# Altium PCB PCB_Organo_Prueba_V3.PcbDoc (part 1 of 2)
Units mm, origin at the board's own origin, x right, y up, seen from the top; angles counter-clockwise.
Board outline 127.36 x 89.76 mm, 2 copper layers (Top Layer, Bottom Layer); 91 components, 109 nets, 411 pads, 117 vias.
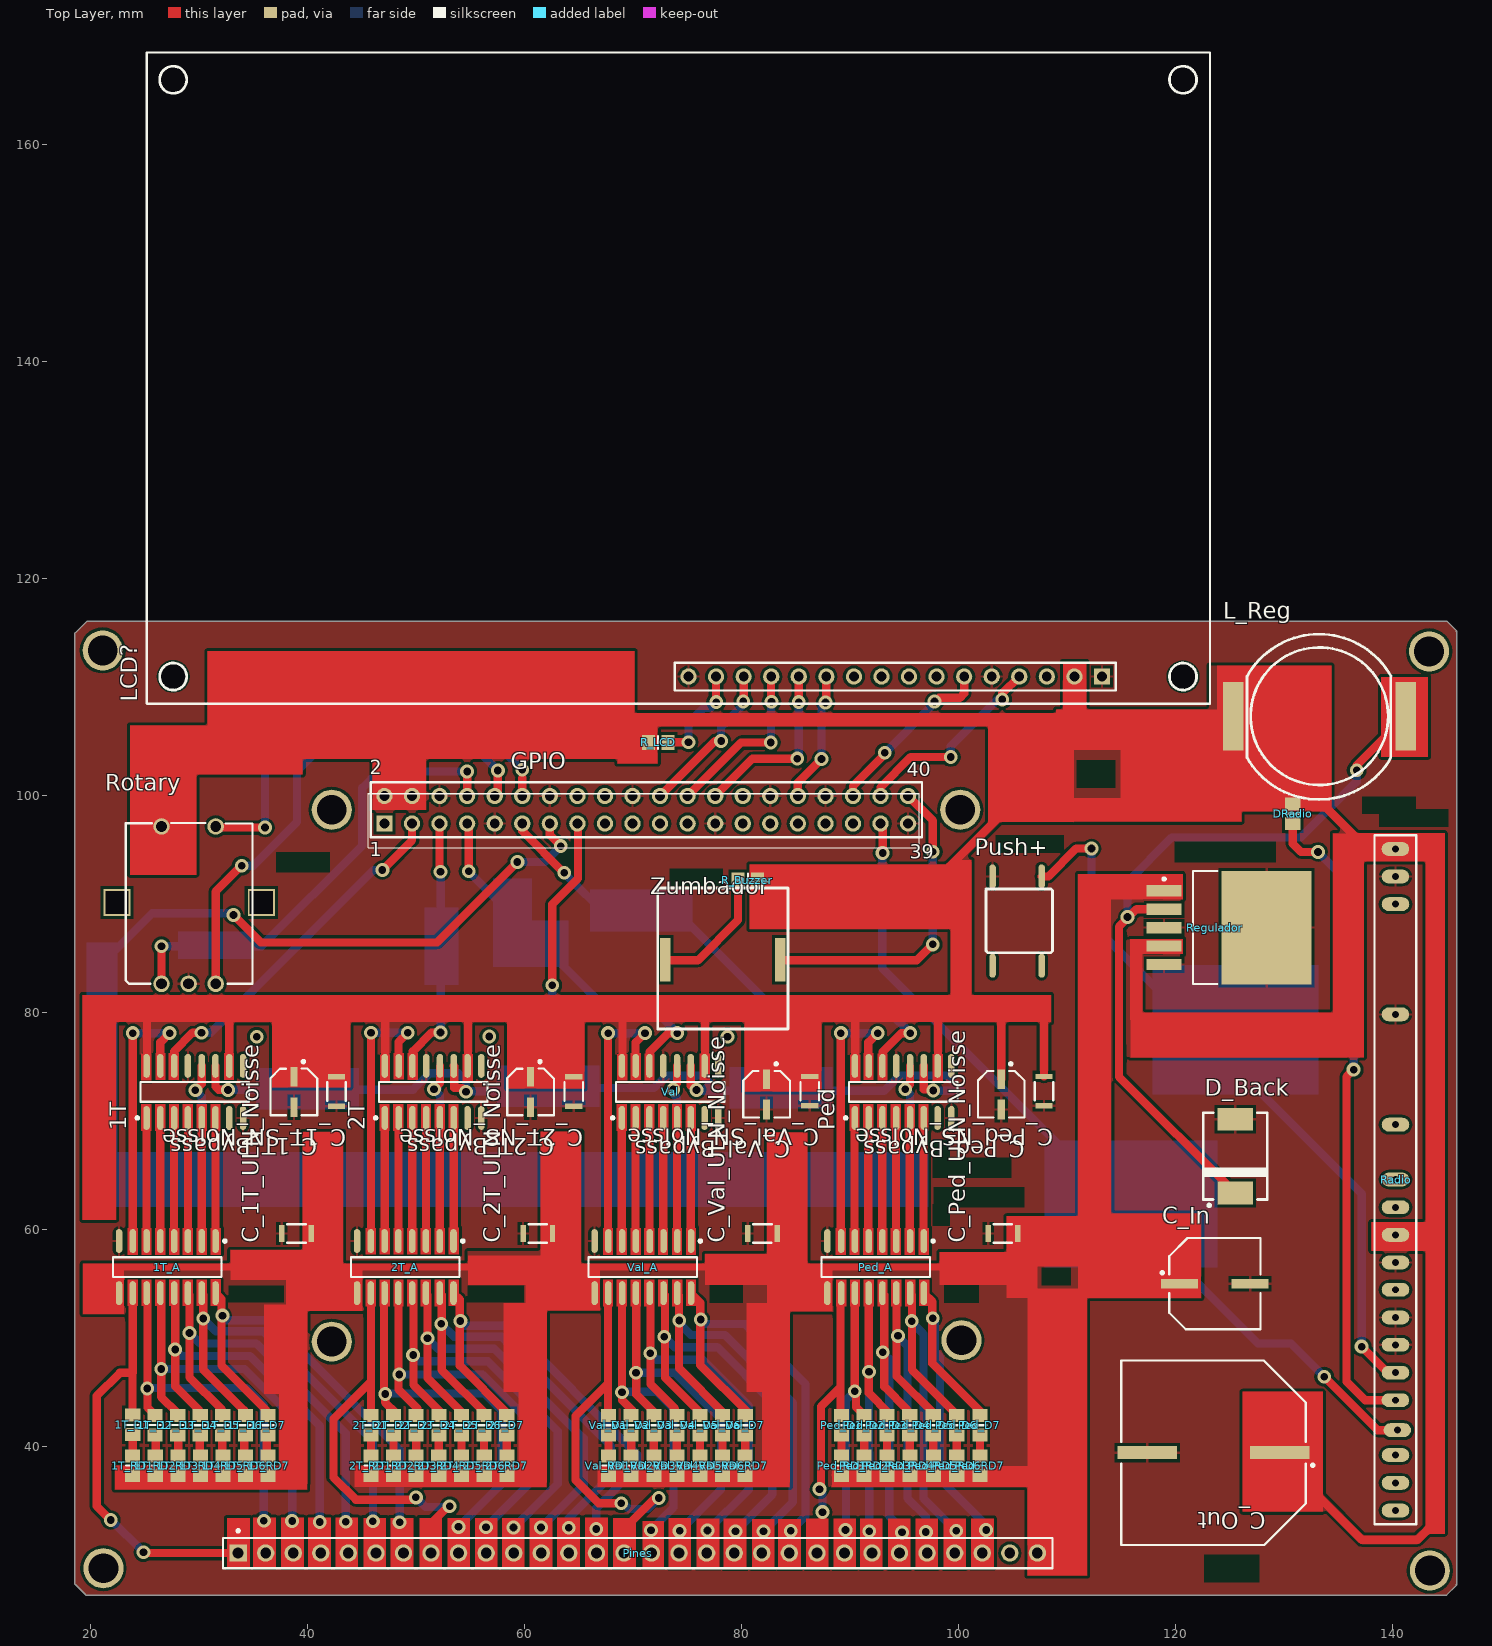
[diagram p0: Top Layer view]
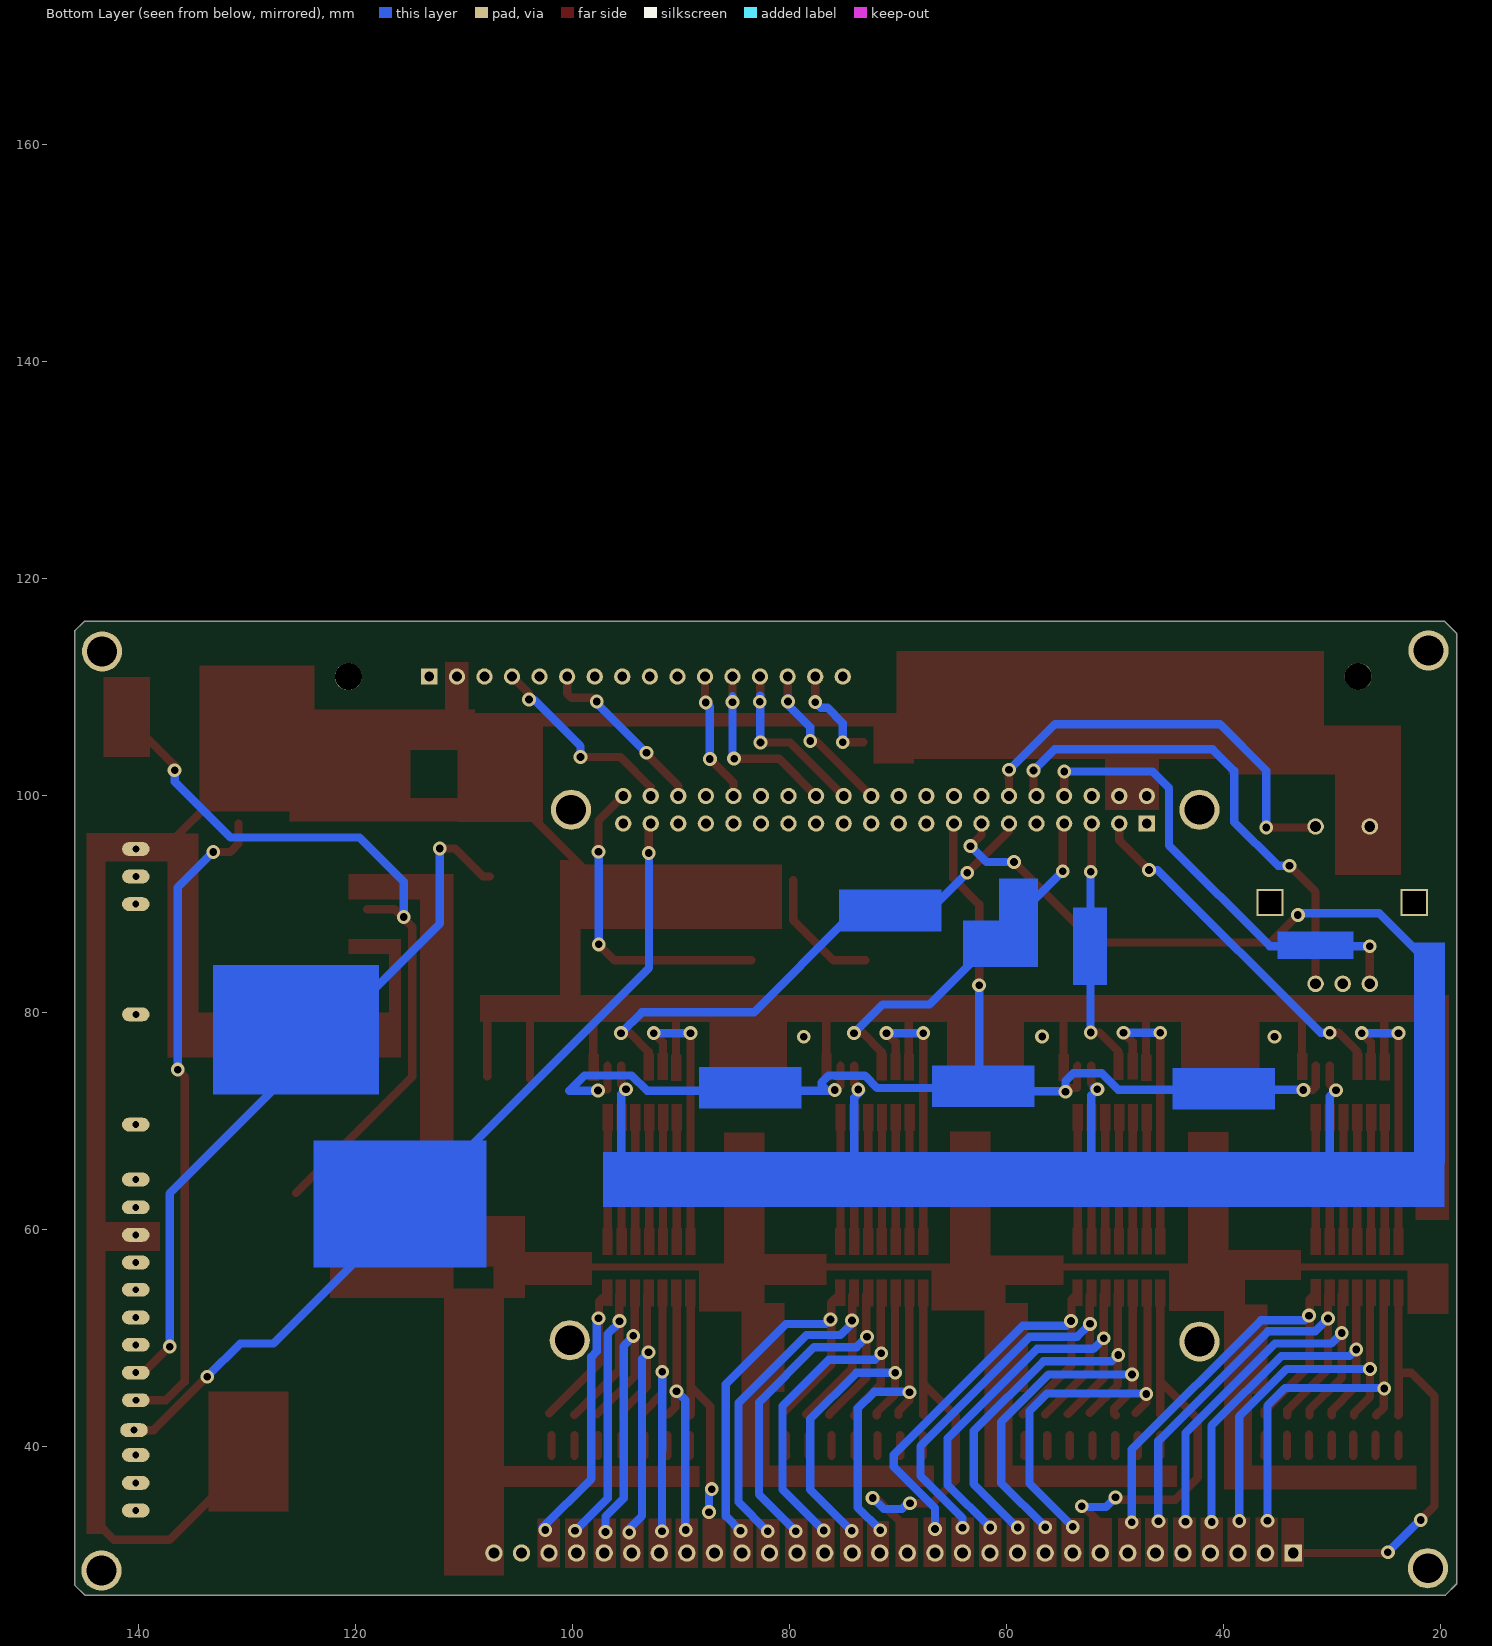
[diagram p1: Bottom Layer view, seen from below]

## Layer stack, top to bottom
Top Solder: solder mask 0.0102, Solder Resist, Dk 3.5
Top Layer: signal copper 0.0356
Dielectric 1: dielectric 0.32, FR-4, Dk 4.8
Bottom Layer: signal copper 0.0356
Bottom Solder: solder mask 0.0102, Solder Resist, Dk 3.5

## Board outline
19.543,26.345 18.544,27.344 cw(c18.615,27.415) 18.515,27.415 18.515,114.925 cw(c18.615,114.925) 18.544,114.996 19.595,116.047 cw(c19.666,115.976) 19.666,116.077 144.958,116.077 cw(c144.958,115.976) 145.029,116.047 145.842,115.235 cw(c145.771,115.164) 145.871,115.164 145.871,27.305 cw(c145.771,27.305) 145.842,27.234 144.953,26.345 cw(c144.882,26.416) 144.882,26.316 19.614,26.316 cw(c19.614,26.416)

## Design rules (kind name [scope] priority, off if disabled: settings)
Clearance Clearance_2 [All] p1: gap=0.254
Clearance Clearance_1 [All] p2: gap=0.254
Clearance [All] p3: gap=0.254
ComponentClearance [All vs HasFootprint('Raspberry')] p1: gap=0.254 collisioncheckmode=3 verticalgap=0.254 showdistances=FALSE
PolygonConnect [All] p1: connectstyle=Relief reliefconductorwidth=0.254 reliefentries=4 polygonreliefangle="90 Angle" airgapwidth=0.254
RoutingVias [All] p1: holewidth=0.711 width=1.27 viastyle="Through Hole" minholewidth=0.711 minwidth=1.27 maxholewidth=0.711 maxwidth=1.27
SMDNeckDown [All] p1: percent=200.000
SolderMaskExpansion [All] p1: expansion=0.102
Width [All] p1: maxlimit=1.016 minlimit=0.508 preferedwidth=0.762
28 further rules are at their usual default settings.

## Classes and differential pairs
component class 1Teclado_Prueba: 1T 1T_A 1T_D1 1T_D2 1T_D3 1T_D4 1T_D5 1T_D6 1T_D7 1T_RD1 1T_RD2 1T_RD3 1T_RD4 1T_RD5 1T_RD6 1T_RD7 C_1T_Bypass C_1T_SN_Noisse C_1T_ULN_Noisse
component class 2Teclado_Prueba: 2T 2T_A 2T_D1 2T_D2 2T_D3 2T_D4 2T_D5 2T_D6 2T_D7 2T_RD1 2T_RD2 2T_RD3 2T_RD4 2T_RD5 2T_RD6 2T_RD7 C_2T_Bypass C_2T_NS_Noisse C_2T_ULN_Noisse
component class Externos_prueba: DRadio LCD? Pines Push+ R_Buzzer R_LCD Radio Rotary Zumbador
component class GPIO_Raspberry_b+: C_In C_Out D_Back GPIO L_Reg Regulador
component class Pedal_Prueba: C_Ped_Bypass C_Ped_NS_Noisse C_Ped_ULN_Noisse Ped Ped_A Ped_D1 Ped_D2 Ped_D3 Ped_D4 Ped_D5 Ped_D6 Ped_D7 Ped_RD1 Ped_RD2 Ped_RD3 Ped_RD4 Ped_RD5 Ped_RD6 Ped_RD7
component class Valvulas_Prueba: C_Val_Bypass C_Val_SN_Noisse C_Val_ULN_Noisse Val Val_A Val_D1 Val_D2 Val_D3 Val_D4 Val_D5 Val_D6 Val_D7 Val_RD1 Val_RD2 Val_RD3 Val_RD4 Val_RD5 Val_RD6 Val_RD7

## Components (designator, comment, footprint, x,y, rotation, side; value= is the part's Value field where it differs from the comment)
1T "SN74HC595D" SN74HC595D 29.585,72.712 r90 top
1T_A "ULN2003D" ULN2003AI 27.051,56.569 r270 top
1T_D1 "LED_SMD" LED_0805 23.863,42.018 r90 top
1T_D2 "LED_SMD" LED_0805 25.933,42.012 r90 top
1T_D3 "LED_SMD" LED_0805 28.016,42.012 r90 top
1T_D4 "LED_SMD" LED_0805 30.086,41.999 r90 top
1T_D5 "LED_SMD" LED_0805 32.169,41.999 r90 top
1T_D6 "LED_SMD" LED_0805 34.252,41.999 r90 top
1T_D7 "LED_SMD" LED_0805 36.347,41.986 r90 top
1T_RD1 "Res Chip 0805" Resistencia_0805_N 23.851,38.278 r270 top
1T_RD2 "Res Chip 0805" Resistencia_0805_N 25.946,38.278 r270 top
1T_RD3 "Res Chip 0805" Resistencia_0805_N 28.029,38.278 r270 top
1T_RD4 "Res Chip 0805" Resistencia_0805_N 30.099,38.278 r270 top
1T_RD5 "Res Chip 0805" Resistencia_0805_N 32.182,38.278 r270 top
1T_RD6 "Res Chip 0805" Resistencia_0805_N 34.252,38.278 r270 top
1T_RD7 "Res Chip 0805" Resistencia_0805_N 36.347,38.278 r270 top
2T "SN74HC595D" SN74HC595D 51.549,72.712 r90 top
2T_A "ULN2003D" ULN2003AI 48.984,56.569 r270 top
2T_D1 "LED_SMD" LED_0805 45.822,41.986 r90 top
2T_D2 "LED_SMD" LED_0805 47.892,41.986 r90 top
2T_D3 "LED_SMD" LED_0805 49.987,41.986 r90 top
2T_D4 "LED_SMD" LED_0805 52.083,41.986 r90 top
2T_D5 "LED_SMD" LED_0805 54.165,41.986 r90 top
2T_D6 "LED_SMD" LED_0805 56.248,41.986 r90 top
2T_D7 "LED_SMD" LED_0805 58.344,41.986 r90 top
2T_RD1 "Res Chip 0805" Resistencia_0805_N 45.822,38.278 r270 top
2T_RD2 "Res Chip 0805" Resistencia_0805_N 47.904,38.278 r270 top
2T_RD3 "Res Chip 0805" Resistencia_0805_N 49.987,38.278 r270 top
2T_RD4 "Res Chip 0805" Resistencia_0805_N 52.07,38.278 r270 top
2T_RD5 "Res Chip 0805" Resistencia_0805_N 54.165,38.278 r270 top
2T_RD6 "Res Chip 0805" Resistencia_0805_N 56.261,38.278 r270 top
2T_RD7 "Res Chip 0805" Resistencia_0805_N 58.356,38.278 r270 top
C_1T_Bypass "Panasonic 1uF" "Panasonic B Size" 38.722,72.707 r270 top
C_1T_SN_Noisse "AVX 100nF" "AVX Carcasa 1.206" 42.647,72.758 r270 top
C_1T_ULN_Noisse "AVX 100nF" "AVX Carcasa 1.206" 38.964,59.665 r180 top
C_2T_Bypass "Panasonic 1uF" "Panasonic B Size" 60.528,72.707 r270 top
C_2T_NS_Noisse "AVX 100nF" "AVX Carcasa 1.206" 64.503,72.758 r270 top
C_2T_ULN_Noisse "AVX 100nF" "AVX Carcasa 1.206" 61.201,59.665 r180 top
C_In "Panasonic 100uF" "Panasonic F Size" 123.596,55.042 r0 top
C_Out "Panasonic 1000uF" "Panasonic J16 Size" 123.469,39.459 r180 top
C_Ped_Bypass "Panasonic 1uF" "Panasonic B Size" 103.911,72.492 r270 top
C_Ped_NS_Noisse "AVX 100nF" "AVX Carcasa 1.206" 107.848,72.784 r270 top
C_Ped_ULN_Noisse "AVX 100nF" "AVX Carcasa 1.206" 104.064,59.665 r180 top
C_Val_Bypass "Panasonic 1uF" "Panasonic B Size" 82.283,72.492 r270 top
C_Val_SN_Noisse "AVX 100nF" "AVX Carcasa 1.206" 86.271,72.784 r270 top
C_Val_ULN_Noisse "AVX 100nF" "AVX Carcasa 1.206" 81.902,59.665 r180 top
D_Back "MURS320T3G" DO-214AB 125.476,66.802 r90 top
DRadio "LED_SMD" LED_0805 130.77,98.35 r270 top
GPIO "Raspberry b+" Raspberry 71.196,98.717 r0 top
L_Reg "DO-5040H-104ML_" "DO-5040H 15uH-1400uH" 133.23,107.33 r0 top
LCD? "LCD 20x4" "LCD FORDATA (20x4)" 76.893,136.913 r180 top
Ped "SN74HC595D" SN74HC595D 94.869,72.712 r90 top
Ped_A "ULN2003D" ULN2003AI 92.329,56.569 r270 top
Ped_D1 "LED_SMD" LED_0805 89.192,41.986 r90 top
Ped_D2 "LED_SMD" LED_0805 91.275,41.986 r90 top
Ped_D3 "LED_SMD" LED_0805 93.37,41.986 r90 top
Ped_D4 "LED_SMD" LED_0805 95.479,41.986 r90 top
Ped_D5 "LED_SMD" LED_0805 97.638,41.986 r90 top
Ped_D6 "LED_SMD" LED_0805 99.809,41.986 r90 top
Ped_D7 "LED_SMD" LED_0805 101.943,41.986 r90 top
Ped_RD1 "Res Chip 0805" Resistencia_0805_N 89.192,38.278 r270 top
Ped_RD2 "Res Chip 0805" Resistencia_0805_N 91.275,38.278 r270 top
Ped_RD3 "Res Chip 0805" Resistencia_0805_N 93.37,38.278 r270 top
Ped_RD4 "Res Chip 0805" Resistencia_0805_N 95.491,38.278 r270 top
Ped_RD5 "Res Chip 0805" Resistencia_0805_N 97.663,38.278 r270 top
Ped_RD6 "Res Chip 0805" Resistencia_0805_N 99.809,38.278 r270 top
Ped_RD7 "Res Chip 0805" Resistencia_0805_N 101.943,38.278 r270 top
Pines "Header 30x1" "Header 1X30" 33.579,30.213 r0 top
Push+ "Pulsador" Pulsador 104.178,95.72 r270 top
R_Buzzer "Res Chip 0805" Resistencia_0805_N 80.556,92.227 r180 top
R_LCD "Res Chip 0805" Resistencia_0805_N 72.288,104.927 r180 top
Radio "HIRK-433A RADIO MODULE" "HIRK-433A Radio Module" 149.441,64.618 r0 top
Regulador "LM2576HVSX-5.0/NOPB" TS5B_N_ 124.917,87.859 r0 top
Rotary "Rotary Encoder" RotaryPCB 26.518,82.677 r0 top
Val "SN74HC595D" SN74HC595D 73.393,72.712 r90 top
Val_A "ULN2003D" ULN2003AI 70.879,56.569 r270 top
Val_D1 "LED_SMD" LED_0805 67.704,41.986 r90 top
Val_D2 "LED_SMD" LED_0805 69.799,41.986 r90 top
Val_D3 "LED_SMD" LED_0805 71.895,41.986 r90 top
Val_D4 "LED_SMD" LED_0805 74.016,41.986 r90 top
Val_D5 "LED_SMD" LED_0805 76.136,41.986 r90 top
Val_D6 "LED_SMD" LED_0805 78.219,41.986 r90 top
Val_D7 "LED_SMD" LED_0805 80.315,41.986 r90 top
Val_RD1 "Res Chip 0805" Resistencia_0805_N 67.704,38.278 r270 top
Val_RD2 "Res Chip 0805" Resistencia_0805_N 69.799,38.278 r270 top
Val_RD3 "Res Chip 0805" Resistencia_0805_N 71.895,38.278 r270 top
Val_RD4 "Res Chip 0805" Resistencia_0805_N 74.016,38.278 r270 top
Val_RD5 "Res Chip 0805" Resistencia_0805_N 76.136,38.278 r270 top
Val_RD6 "Res Chip 0805" Resistencia_0805_N 78.219,38.278 r270 top
Val_RD7 "Res Chip 0805" Resistencia_0805_N 80.302,38.278 r270 top
Zumbador "Buzzer" Buzzer 78.346,85.7 r0 top

## Footprints (in the part's own frame and the unit in brackets; to place one, negate y for a bottom-side part, rotate by r counter-clockwise, add the part's x,y. Pads: shape width x height; smd on the part's side, far side on the other; paste and mask are expansions set on the pad)
"AVX Carcasa 1.206" [mm] "Molded Capacitor, 2-Leads, Body 3,20x1,60mm, IPC Medium Density"
  rect 0.5x1.6 smd: 1(-1.352,0) 2(1.357,0)
  silkscreen extent -0.85,-0.85 0.86,0.85, body extent -1.7,-0.83 1.7,0.85, height 1.71
Buzzer [mm]
  rect 1x4 smd: 1(5.2,-0.8) 2(-5.4,-0.8)
  silkscreen extent -6.1,-7.2 5.9,5.8, body extent -6.05,-6.68 5.95,5.32, height 3.07
DO-214AB [mm]
  rect 2.1x3.3 smd: A(3.4,0) K(-3.4,0)
  silkscreen extent -4.67,-2.95 4,2.95, body extent -3.97,-2.95 3.97,2.95, height 2.27
"DO-5040H 15uH-1400uH" [mm] "Bobina coilcraft SMD DO-5040H válido para 15uH hasta 1400uH"
  rect 1.9x6.35 smd: 1(-7.95,0) 2(7.95,0)
  silkscreen extent -6.66,-7.67 6.6,7.57, body extent -9.14,-7.37 9.4,7.37, height 11.97
"Header 1X30" [mm]
  rect 1.6x1.6 hole 0.99: 1(0,0)
  round 1.6 hole 0.99: 2(2.54,0) 3(5.08,0) 4(7.62,0) 5(10.16,0) 6(12.7,0) 7(15.24,0) 8(17.78,0) 9(20.32,0) 10(22.86,0) 11(25.4,0) 12(27.94,0) 13(30.48,0) 14(33.02,0) 15(35.56,0) 16(38.1,0) 17(40.64,0) 18(43.18,0) 19(45.72,0) 20(48.26,0) 21(50.8,0) 22(53.34,0) 23(55.88,0) 24(58.42,0) 25(60.96,0) 26(63.5,0) 27(66.04,0) 28(68.58,0) 29(71.12,0) 30(73.66,0)
  silkscreen extent -1.4,-1.4 75.06,2.17, body extent -1.39,-3.21 74.81,2.87, height 10.19
"HIRK-433A Radio Module" [mil] "CFP, 54-Leads, Body 63,50x14,50mm (max), Pitch 2,54mm, IPC Medium Density"
  oval 100x50 hole 25: 1(-362.2,1200) 2(-362.2,1100) 3(-362,1000) 7(-362.2,600) 11(-362,200) 13(-362,1) 14(-362,-100) 15(-362,-200) 16(-362,-300) 17(-362,-399) 18(-362,-500) 19(-362,-599) 20(-362,-700) 21(-362.2,-800) 22(-355.5,-908.5) 23(-362,-999) 24(-362,-1100) 25(-362,-1200)
  silkscreen extent -439,-1250 -287,1250, body extent -558,-1208 -312,1204, height 753
"LCD FORDATA (20x4)" [mm] "LCD 4x20"
  rect 1.5x1.5 hole 0.9: 1(-36.297,25.923)
  round 1.5 hole 0.9: 2(-33.757,25.923) 3(-31.217,25.923) 4(-28.677,25.923) 5(-26.137,25.923) 6(-23.597,25.923) 7(-21.057,25.923) 8(-18.517,25.923) 9(-15.977,25.923) 10(-13.437,25.923) 11(-10.897,25.923) 12(-8.357,25.923) 13(-5.817,25.923) 14(-3.277,25.923) 15(-0.737,25.923) 16(1.803,25.923)
  silkscreen extent -46.27,-31.58 51.73,28.42, body extent -46.27,-31.58 51.74,28.42, height 2.2
LED_0805 [mm]
  rect 1.2x1.4 smd: 1(-0.9,0) 2(0.9,0)
  silkscreen extent 0,-0.6 0,0.6, body extent -1.05,-0.67 1.05,0.68, height 0.9
"Panasonic B Size" [mm] "Molded Capacitor, 2-Leads, Body 4,30x4,30mm, IPC Medium Density"
  rect 1.8x0.65 smd: 1(-1.4,0) 2(1.4,0)
  silkscreen extent -2.92,-2.15 2.15,2.15, body extent -2.3,-2.16 2.3,2.14, height 5.4
"Panasonic F Size" [mm] "Molded Capacitor, 2-Leads, Body 8,30x8,30mm, IPC Medium Density"
  rect 3.4x0.9 smd: 1(-3.25,0) 2(3.25,0)
  silkscreen extent -4.97,-4.2 4.2,4.2, body extent -4.94,-4.11 4.96,4.19, height 10.2
"Panasonic J16 Size" [mm] "Molded Capacitor, 2-Leads, Body 17,00x17,00mm, IPC Medium Density"
  rect 5.5x1.2 smd: 1(-6.1,0) 2(6.1,0)
  silkscreen extent -9.28,-8.5 8.5,8.5, body extent -8.89,-8.49 8.81,8.51, height 16.5
Pulsador [mm]
  oval 2.2x0.6 smd: 1(3.15,3.454) 2(11.379,3.454) 3(3.15,-1.067) 4(11.379,-1.067)
  silkscreen extent 4.32,-1.68 10.19,4.45, body extent 3.34,-1.93 11.34,4.57, height 4.3
Raspberry [mm] "Connector; Header; 20x2 Position"
  rect 1.5x1.5 hole 0.9: 1(-24.13,-1.27)
  round 1.5 hole 0.9: 2(-24.13,1.27) 3(-21.59,-1.27) 4(-21.59,1.27) 5(-19.05,-1.27) 6(-19.05,1.27) 7(-16.51,-1.27) 8(-16.51,1.27) 9(-13.97,-1.27) 10(-13.97,1.27) 11(-11.43,-1.27) 12(-11.43,1.27) 13(-8.89,-1.27) 14(-8.89,1.27) 15(-6.35,-1.27) 16(-6.35,1.27) 17(-3.81,-1.27) 18(-3.81,1.27) 19(-1.27,-1.27) 20(-1.27,1.27) 21(1.27,-1.27) 22(1.27,1.27) 23(3.81,-1.27) 24(3.81,1.27) 25(6.35,-1.27) 26(6.35,1.27) 27(8.89,-1.27) 28(8.89,1.27) 29(11.43,-1.27) 30(11.43,1.27) 31(13.97,-1.27) 32(13.97,1.27) 33(16.51,-1.27) 34(16.51,1.27) 35(19.05,-1.27) 36(19.05,1.27) 37(21.59,-1.27) 38(21.59,1.27) 39(24.13,-1.27) 40(24.13,1.27)
  silkscreen extent -25.4,-2.54 25.4,2.54, body extent -34.64,-54.66 54.98,3.64, height 11.3
Resistencia_0805_N [mm] "Chip Resistor, Body 2.0x1.2mm, IPC Medium Density"
  rect 1.2x1.4 smd: 1(-0.9,0) 2(0.9,0)
  silkscreen extent 0,-0.6 0,0.6, body extent -0.97,-0.62 1.03,0.63, height 0.78
RotaryPCB [mm]
  round 1.524 hole 1: A(0,0) B(5,0) C(2.5,0) D(0,14.5) E(5,14.5)
  rect 2.5x2.5 hole 2.1 square unplated: ""(-4.1,7.5) ""(9.2,7.5)
  silkscreen extent -3.3,0 8.4,14.81, body extent -4.93,-1.51 10.07,16.49, height 24.5
SN74HC595D [mm] "SOIC, 16-Leads, Body 9.9x3.9mm, Pitch 1.27mm, IPC Medium Density"
  oval 2.2x0.6 smd: 1(-2.4,4.445) 2(-2.4,3.175) 3(-2.4,1.905) 4(-2.4,0.635) 5(-2.4,-0.635) 6(-2.4,-1.905) 7(-2.4,-3.175) 8(-2.4,-4.445) 9(2.4,-4.445) 10(2.4,-3.175) 11(2.4,-1.905) 12(2.4,-0.635) 13(2.4,0.635) 14(2.4,1.905) 15(2.4,3.175) 16(2.4,4.445)
  silkscreen extent -2.52,-5 0.9,5.42, body extent -3.1,-4.92 2.9,4.98, height 1.45
TS5B_N_ [mm] "D2-PAK, 6-Leads, Body 8.6x10.2mm, Pitch 1.7mm, Lead Span 14.1mm, IPC Medium Density"
  rect 3.2x1.05 smd: 1(-6,3.4) 2(-6,1.7) 3(-6,0) 4(-6,-1.7) 5(-6,-3.4)
  rect 8.3x10.45 smd: 6(3.45,0)
  silkscreen extent -6.12,-5.2 -1.1,5.2, body extent -7.52,-5.03 7.54,5.13, height 2.05
ULN2003AI [mm] "SOIC, 16-Leads, Body 9.9x3.9mm, Pitch 1.27mm, IPC Medium Density"
  oval 2.2x0.6 smd: 1(-2.4,4.445) 2(-2.4,3.175) 3(-2.4,1.905) 4(-2.4,0.635) 5(-2.4,-0.635) 6(-2.4,-1.905) 7(-2.4,-3.175) 8(-2.4,-4.445) 9(2.4,-4.445) 10(2.4,-3.175) 11(2.4,-1.905) 12(2.4,-0.635) 13(2.4,0.635) 14(2.4,1.905) 15(2.4,3.175) 16(2.4,4.445)
  silkscreen extent -2.52,-5 0.9,5.42, body extent -3.13,-4.92 2.87,4.98, height 1.45

## Part data
1T 2T Ped Val: "8-Bit Shift Register with 3-State Output Registers"
1T_A 2T_A Ped_A Val_A: "Seven Darlington Array"
1T_D1 1T_D2 1T_D3 1T_D4 1T_D5 1T_D6 1T_D7 2T_D1 2T_D2 2T_D3 2T_D4 2T_D5 2T_D6 2T_D7 DRadio Ped_D1 Ped_D2 Ped_D3 Ped_D4 Ped_D5 Ped_D6 Ped_D7 Val_D1 Val_D2 Val_D3 Val_D4 Val_D5 Val_D6 Val_D7: "LED SMD"
1T_RD1 1T_RD2 1T_RD3 1T_RD4 1T_RD5 1T_RD6 1T_RD7 2T_RD1 2T_RD2 2T_RD3 2T_RD4 2T_RD5 2T_RD6 2T_RD7 Ped_RD1 Ped_RD2 Ped_RD3 Ped_RD4 Ped_RD5 Ped_RD6 Ped_RD7 R_Buzzer R_LCD Val_RD1 Val_RD2 Val_RD3 Val_RD4 Val_RD5 Val_RD6 Val_RD7: library part Resistencia
C_1T_Bypass C_2T_Bypass C_In C_Out C_Ped_Bypass C_Val_Bypass: "Condensador Electrolítico SMD"
C_1T_SN_Noisse C_1T_ULN_Noisse C_2T_NS_Noisse C_2T_ULN_Noisse C_Ped_NS_Noisse C_Ped_ULN_Noisse C_Val_SN_Noisse C_Val_ULN_Noisse: "Condensador Cerámico SMD"
D_Back: "Surface Mount Schottky-Rectifiers"
L_Reg: library part Inductor, "Inductor"
Regulador: "SIMPLE SWITCHER® 3A Step-Down Voltage Regulator, 5-pin TO-263, Pb-Free"

## Free pads (board coordinates)
  round 3.7 hole 2.75: 0(21.101,113.399) 0(21.165,28.817) 0(42.215,49.695) 0(42.215,98.717) 0(100.127,98.717) 0(100.254,49.822) 0(143.345,113.309) 0(143.408,28.6)
  round 2.5 hole 2.5: 0(27.594,111.005) 0(120.658,110.98)

## Via types
v1: diameter 1.27, hole 0.711, Top Layer to Bottom Layer, 117 vias

## Nets (pads, with @x,y where several pads share a name; then routed paths per layer and width w, separated by ;. In a path a pad name is that pad's centre, name@x,y a point inside that pad or via, vN(x,y) a via of type N, cw(c..) or ccw(c..) an arc to the next point about the centre after c; other vN are vias at no path point)
5V: 1T.10 1T.16 2T.10 2T.16 C_1T_Bypass.1 C_1T_SN_Noisse.1 C_2T_Bypass.1 C_2T_NS_Noisse.1 C_Out.1 C_Ped_Bypass.1 C_Ped_NS_Noisse.1 C_Val_Bypass.1 C_Val_SN_Noisse.1 DRadio.1 GPIO.2 GPIO.4 L_Reg.1 LCD?.2 Ped.10 Ped.16 R_Buzzer.1 R_LCD.2 Radio.1 Radio.15 Regulador.4 Rotary.D Val.10 Val.16 | length 165.4
  Top Layer w0.762: 1T.16@25.178,75.112 25.178,80.372 ; 1T.10@32.76,75.112 32.76,80.328 ; 2T.16@47.142,75.029 47.142,80.48 ; 2T.10@54.757,75.023 54.757,80.359 ; C_2T_Bypass.1@60.528,74.107 60.528,80.289 ; C_2T_NS_Noisse.1@64.503,74.11 64.503,80.315 ; Val.16@68.999,75.08 68.999,80.467 ; Val.10@76.613,75.074 76.613,80.46 ; R_Buzzer.1@81.456,92.227 97.917,92.227 111.011,105.321 ; C_Val_Bypass.1@82.283,73.892 82.283,79.896 ; C_Val_SN_Noisse.1@86.271,74.136 86.271,80.213 ; Ped.16@90.462,75.029 90.462,80.543 ; Ped.10@98.076,75.023 98.076,80.372 ; C_Ped_Bypass.1@103.911,73.892 103.911,79.845 ; C_Ped_NS_Noisse.1@107.848,74.136 107.848,79.908 ; LCD?.2@110.65,110.99 110.65,107.13 112.23,105.55 128.346,105.55 128.499,105.702 ; C_Out.1@129.569,39.459 129.569,39.023 137.16,31.432 142.253,31.432 143.929,33.109 ; 132.22,100.546 137.668,95.098 Radio.1@140.241,95.098
12V: 1T_A.9 1T_RD1.2 1T_RD2.2 1T_RD3.2 1T_RD4.2 1T_RD5.2 1T_RD6.2 1T_RD7.2 2T_A.9 2T_RD1.2 2T_RD2.2 2T_RD3.2 2T_RD4.2 2T_RD5.2 2T_RD6.2 2T_RD7.2 C_1T_ULN_Noisse.1 C_2T_ULN_Noisse.1 C_In.1 C_Ped_ULN_Noisse.1 C_Val_ULN_Noisse.1 Ped_A.9 Ped_RD1.2 Ped_RD2.2 Ped_RD3.2 Ped_RD4.2 Ped_RD5.2 Ped_RD6.2 Ped_RD7.2 Pines.30 Regulador.1 Val_A.9 Val_RD1.2 Val_RD2.2 Val_RD3.2 Val_RD4.2 Val_RD5.2 Val_RD6.2 Val_RD7.2 | length 49.5
  Top Layer w0.762: 21.714,54.169 1T_A.9@22.606,54.169 ; 38.354,51.333 39.548,52.527 ; 40.665,57.302 40.665,68.415 ; 43.799,54.169 2T_A.9@44.539,54.169 ; 62.598,57.34 62.598,68.275 ; 84.061,57.29 84.061,67.31 ; 107.239,50.305 111.658,54.724 ; 111.95,63.438 111.95,71.323
GND: 1T.8 1T.13 1T_A.8 2T.8 2T.13 2T_A.8 C_1T_Bypass.2 C_1T_SN_Noisse.2 C_1T_ULN_Noisse.2 C_2T_Bypass.2 C_2T_NS_Noisse.2 C_2T_ULN_Noisse.2 C_In.2 C_Out.2 C_Ped_Bypass.2 C_Ped_NS_Noisse.2 C_Ped_ULN_Noisse.2 C_Val_Bypass.2 C_Val_SN_Noisse.2 C_Val_ULN_Noisse.2 D_Back.A GPIO.6 GPIO.9 GPIO.14 GPIO.20 GPIO.25 GPIO.30 GPIO.34 GPIO.39 LCD?.1 LCD?.5 LCD?.16 Ped.8 Ped.13 Ped_A.8 Push+.3 Radio.2 Radio.7 Radio.16 Radio.18 Radio.19 Regulador.3 Regulador.5 Regulador.6 Rotary.C Val.8 Val.13 Val_A.8
Net1T_1: 1T.1 1T_A.6 | length 11.3
  Top Layer w0.508: 1T_A.6@25.14,58.975 1T_A.6@25.146,58.969
  Top Layer w0.762: 1T_A.6@25.14,58.975 1T.1@25.14,70.312
Net1T_2: 1T.2 1T_A.5 | length 11.3
  Top Layer w0.762: 1T.2@26.41,70.312 26.41,58.975 1T_A.5@26.416,58.969
Net1T_3: 1T.3 1T_A.4 | length 11.3
  Top Layer w0.762: 1T.3@27.68,70.312 27.68,58.975 1T_A.4@27.686,58.969
Net1T_4: 1T.4 1T_A.3 | length 11.3
  Top Layer w0.762: 1T.4@28.95,70.312 28.95,58.975 1T_A.3@28.956,58.969
Net1T_5: 1T.5 1T_A.2 | length 11.3
  Top Layer w0.762: 1T.5@30.22,70.312 30.22,58.975 1T_A.2@30.226,58.969
Net1T_6: 1T.6 1T_A.1 | length 11.3
  Top Layer w0.762: 1T.6@31.49,70.312 31.496,70.306 1T_A.1@31.496,58.969
Net1T_11: 1T.11 2T.11 GPIO.15 Ped.11 Val.11 | length 114.2
  Top Layer w0.762: 1T.11@31.49,75.112 31.49,73.209 31.775,72.923 32.601,72.923 v1(32.639,72.885) ; 2T.11@53.454,75.112 53.505,75.061 53.505,73.063 54.229,73.063 v1(54.572,72.72) ; v1(62.522,82.537) 62.522,90 64.897,92.374 64.897,97.396 GPIO.15@64.846,97.447 ; Val.11@75.298,75.112 75.298,73.292 v1@75.629,72.962 ; Ped.11@96.774,75.112 96.774,72.936 97.549,72.936 v1(97.638,72.847)
  Bottom Layer w0.762: v1@32.588,72.923 49.715,72.923 51.214,74.422 53.866,74.422 54.572,73.716 v1@54.572,72.873 ; v1(54.572,72.72) v1@54.572,72.873 ; 62.522,73.063 71.915,73.063 73.058,74.206 75.781,74.206 ; v1(62.522,82.537) 62.522,72.784 54.661,72.784 v1@54.572,72.873 ; v1@75.565,72.822 76.53,72.822 ; 75.705,74.219 76.403,74.219 77.038,73.584 77.038,73.33 76.53,72.822 ; v1@97.638,72.822 100.292,72.822 98.882,74.231 94.546,74.231 93.136,72.822 76.53,72.822
  other v1: 75.819,72.898
Net1T_12: 1T.12 2T.12 GPIO.13 Ped.12 Val.12 | length 184.7
  Top Layer w0.762: v1(29.642,72.873) 30.22,73.451 1T.12@30.22,75.112 ; v1(33.147,89.014) 35.674,86.487 51.905,86.487 v1(59.315,93.897) ; v1(51.625,72.962) 52.184,73.52 2T.12@52.184,75.112 ; GPIO.13@62.306,97.447 62.306,96.38 v1(63.322,95.364) ; 74.028,73.477 Val.12@74.028,75.112 ; v1(95.072,72.962) 95.504,73.393 Ped.12@95.504,75.112
  Bottom Layer w0.762: 23.901,64.465 23.762,64.605 22.555,64.605 21.209,65.951 21.209,84.734 25.641,89.167 v1@32.944,89.167 ; v1(29.642,72.873) 30.22,72.294 30.22,63.786 52.172,63.786 ; v1(51.625,72.962) 52.184,72.403 52.184,63.799 52.172,63.786 ; v1@51.816,73.076 v1@51.981,73.076 ; v1(59.315,93.897) 61.855,93.897 v1(63.322,95.364) ; v1@73.368,72.847 74.028,72.187 74.028,63.944 73.87,63.786 ; v1(95.072,72.962) 95.504,72.53 95.504,64.008 95.282,63.786 73.87,63.786 ; 52.172,63.786 73.87,63.786
  other v1: 73.673,72.936
Net1T_14: 1T.14 GPIO.3 | length 33
  Top Layer w0.762: 1T.14@27.661,75.006 27.661,76.441 29.388,78.168 v1(30.213,78.168) ; v1(46.876,93.167) 49.606,95.898 GPIO.3@49.606,97.447
  Bottom Layer w0.762: v1(30.213,78.168) 31.064,78.168 46.063,93.167 v1(46.876,93.167)
Net1T_15: 1T.15 1T_A.7 | length 25.9
  Top Layer w0.762: 1T_A.7@23.876,58.969 v1(23.876,78.13) ; 1T.15@26.41,75.112 26.41,77.286 26.423,77.286 v1(27.267,78.13)
  Bottom Layer w0.762: v1(23.876,78.13) v1(27.267,78.13)
Net1T_A_10: 1T_A.10 1T_D1.2 Pines.1 | length 40.4
  Top Layer w0.762: v1(21.831,33.261) 20.549,34.544 20.549,44.691 22.682,46.825 23.876,46.825 ; 1T_A.10@23.876,54.169 23.876,46.825 ; 1T_D1.2@23.889,42.918 23.851,42.956 23.851,46.799 23.876,46.825 ; v1@24.879,30.213 Pines.1@33.579,30.213
  Bottom Layer w0.762: v1(21.831,33.261) 21.882,33.261 v1(24.854,30.29)
Net1T_A_11: 1T_A.11 1T_D2.2 Pines.2 | length 36.7
  Top Layer w0.762: 1T_A.11@25.146,54.169 25.224,54.091 25.224,43.634 1T_D2.2@25.933,42.924 ; v1(35.954,33.185) 35.954,30.378 Pines.2@36.119,30.213
  Bottom Layer w0.762: v1(25.197,45.377) 25.235,45.415 34.341,45.415 35.954,43.802 v1(35.954,33.185) v1@35.928,33.16
Net1T_A_12: 1T_A.12 1T_D3.2 Pines.3 | length 38.4
  Top Layer w0.762: 1T_A.12@26.416,54.169 26.492,54.093 26.492,44.615 27.978,43.129 1T_D3.2@27.978,42.924 ; v1(38.557,33.16) 38.557,30.315 Pines.3@38.659,30.213
  Bottom Layer w0.762: v1(26.505,47.168) 34.176,47.168 38.557,42.786 v1(38.557,33.16)
Net1T_A_13: 1T_A.13 1T_D4.2 Pines.4 | length 39.8
  Top Layer w0.762: 1T_A.13@27.775,53.785 v1(27.775,48.971) 27.775,45.593 30.023,43.345 1T_D4.2@30.023,42.924 ; v1(41.097,33.071) 41.199,32.969 Pines.4@41.199,30.213
  Bottom Layer w0.762: v1(27.775,48.971) 28.372,48.374 34.671,48.374 41.097,41.948 v1(41.097,33.071)
Net1T_A_14: 1T_A.14 1T_D5.2 Pines.5 | length 41.9
  Top Layer w0.762: 1T_A.14@28.956,54.169 29.096,54.029 v1(29.096,50.495) 29.096,46.406 32.08,43.421 1T_D5.2@32.08,42.924 ; v1(43.497,33.096) 43.497,30.455 Pines.5@43.739,30.213
  Bottom Layer w0.762: v1(29.096,50.495) 30.061,49.53 35.253,49.53 43.497,41.286 v1(43.497,33.096)
Net1T_A_15: 1T_A.15 1T_D6.2 Pines.6 | length 43.6
  Top Layer w0.762: 1T_A.15@30.226,54.169 30.366,54.029 v1(30.366,51.829) 30.366,47.142 34.138,43.37 1T_D6.2@34.138,42.924 ; v1(45.999,33.147) 45.999,30.493 Pines.6@46.279,30.213
  Bottom Layer w0.762: v1(30.366,51.829) 31.547,50.648 35.916,50.648 46.003,40.56 46.003,33.15 v1(45.999,33.147)
Net1T_A_16: 1T_A.16 1T_D7.2 Pines.7 | length 44.3
  Top Layer w0.762: 1T_A.16@31.496,54.169 32.042,53.623 32.042,47.511 36.195,43.358 1T_D7.2@36.195,42.937 ; v1(48.463,33.058) 48.463,30.569 Pines.7@48.819,30.213
  Bottom Layer w0.762: v1(32.131,52.095) 32.563,51.664 36.563,51.664 48.463,39.764 v1(48.463,33.058)
Net1T_D1_1: 1T_D1.1 1T_RD1.1 | length 1.9
  Top Layer w0.762: 1T_RD1.1@23.863,39.178 1T_D1.1@23.863,41.118
Net1T_D2_1: 1T_D2.1 1T_RD2.1 | length 1.9
  Top Layer w0.762: 1T_RD2.1@25.984,39.178 1T_D2.1@25.984,41.118
Net1T_D3_1: 1T_D3.1 1T_RD3.1 | length 1.9
  Top Layer w0.762: 1T_RD3.1@28.054,39.178 1T_D3.1@28.054,41.118
Net1T_D4_1: 1T_D4.1 1T_RD4.1 | length 1.9
  Top Layer w0.762: 1T_D4.1@30.035,41.118 30.035,39.191 1T_RD4.1@30.048,39.178
Net1T_D5_1: 1T_D5.1 1T_RD5.1 | length 2
  Top Layer w0.762: 1T_RD5.1@32.093,39.178 32.118,39.203 1T_D5.1@32.118,41.118
Net1T_D6_1: 1T_D6.1 1T_RD6.1 | length 1.9
  Top Layer w0.762: 1T_RD6.1@34.15,39.178 1T_D6.1@34.15,41.118
Net1T_D7_1: 1T_D7.1 1T_RD7.1 | length 2
  Top Layer w0.762: 1T_D7.1@36.22,41.118 36.22,39.203 1T_RD7.1@36.246,39.178
Net2T_1: 2T.1 2T_A.6 | length 11.3
  Top Layer w0.508: 2T_A.6@47.086,59 2T_A.6@47.092,58.994
  Top Layer w0.762: 2T_A.6@47.086,59 2T.1@47.086,70.337
Net2T_2: 2T.2 2T_A.5 | length 11.3
  Top Layer w0.762: 2T.2@48.356,70.337 48.356,59 2T_A.5@48.362,58.994
Net2T_3: 2T.3 2T_A.4 | length 11.3
  Top Layer w0.762: 2T.3@49.626,70.337 49.626,59 2T_A.4@49.632,58.994
Net2T_4: 2T.4 2T_A.3 | length 11.3
  Top Layer w0.762: 2T.4@50.896,70.337 50.896,59 2T_A.3@50.902,58.994
Net2T_5: 2T.5 2T_A.2 | length 11.3
  Top Layer w0.762: 2T.5@52.166,70.337 52.166,59 2T_A.2@52.172,58.994
Net2T_6: 2T.6 2T_A.1 | length 11.3
  Top Layer w0.762: 2T.6@53.436,70.337 53.442,70.331 2T_A.1@53.442,58.994
Net2T_14: 2T.14 GPIO.5 | length 38.8
  Top Layer w0.762: 2T.14@49.682,75.019 49.682,76.454 51.41,78.181 v1(52.235,78.181) ; GPIO.5@52.146,97.447 52.146,93.091 v1(52.235,93.002)
  Bottom Layer w0.762: v1@52.261,78.207 52.261,93.002 v1@52.261,78.207
Net2T_15: 2T.15 2T_A.7 | length 25.9
  Top Layer w0.762: 2T_A.7@45.822,58.994 v1(45.822,78.156) ; 2T.15@48.356,75.137 48.356,77.312 48.368,77.312 v1(49.212,78.156)
  Bottom Layer w0.762: v1(45.822,78.156) v1(49.212,78.156)
Net2T_A_10: 2T_A.10 2T_D1.2 Pines.8 | length 38.7
  Top Layer w0.762: 2T_D1.2@45.822,42.975 45.822,46.038 ; 2T_A.10@45.822,54.156 45.822,46.038 ; v1@50,35.458 49.67,35.128 44.425,35.128 42.367,37.186 42.367,42.583 45.822,46.038 ; Pines.8@51.359,30.213 51.359,32.956 52.921,34.519 v1(53.073,34.519)
  Bottom Layer w0.762: v1(49.962,35.344) 50.838,34.468 v1@53.073,34.468
Net2T_A_11: 2T_A.11 2T_D2.2 Pines.9 | length 37.7
  Top Layer w0.762: 2T_A.11@47.092,54.156 47.015,54.08 47.015,44.996 v1(47.13,44.882) 47.13,44.107 2T_D2.2@48.121,43.116 ; v1(53.886,32.626) 53.886,30.226 Pines.9@53.899,30.213
  Bottom Layer w0.762: v1(47.13,44.882) 47.168,44.92 56.274,44.92 57.887,43.307 57.887,36.627 v1(53.886,32.626)
Net2T_A_12: 2T_A.12 2T_D3.2 Pines.10 | length 39.7
  Top Layer w0.762: 2T_A.12@48.362,54.156 48.362,45.288 50.102,43.548 50.102,43.089 2T_D3.2@49.924,42.912 ; v1(56.426,32.601) 56.426,30.226 Pines.10@56.439,30.213
  Bottom Layer w0.762: v1(48.438,46.672) 56.109,46.672 60.49,42.291 60.49,36.665 v1(56.426,32.601)
Net2T_A_13: 2T_A.13 2T_D4.2 Pines.11 | length 41.3
  Top Layer w0.762: 2T_A.13@49.632,54.156 49.746,54.042 49.746,45.72 2T_D4.2@52.331,43.135 ; v1(58.953,32.563) 58.953,30.239 Pines.11@58.979,30.213
  Bottom Layer w0.762: v1(49.708,48.476) 50.305,47.879 56.604,47.879 63.03,41.453 63.03,36.589 v1@58.979,32.537
Net2T_A_14: 2T_A.14 2T_D5.2 Pines.12 | length 43
  Top Layer w0.762: 2T_A.14@50.902,54.156 51.029,54.029 51.029,46.342 2T_D5.2@54.344,43.027 ; v1(61.493,32.563) 61.493,30.239 Pines.12@61.519,30.213
  Bottom Layer w0.762: v1(51.029,50) 51.994,49.035 57.186,49.035 65.43,40.791 65.43,36.5 v1(61.493,32.563)
Net2T_A_15: 2T_A.15 2T_D6.2 Pines.13 | length 44.7
  Top Layer w0.762: 2T_A.15@52.172,54.156 52.337,53.991 52.337,47.104 2T_D6.2@56.427,43.014 ; Pines.13@64.059,30.213 v1(64.059,32.537)
  Bottom Layer w0.762: v1(52.299,51.333) 53.48,50.152 57.848,50.152 67.936,40.065 67.936,37.329 64.059,33.452 v1(64.059,32.537)
Net2T_A_16: 2T_A.16 2T_D7.2 Pines.14 | length 45.3
  Top Layer w0.762: 2T_A.16@53.442,54.156 54.013,53.585 54.013,47.485 2T_D7.2@58.503,42.995 ; v1(66.586,32.436) 66.586,30.226 Pines.14@66.599,30.213
  Bottom Layer w0.762: v1(54.064,51.6) 54.496,51.168 58.496,51.168 70.396,39.268 70.396,38.176 66.586,34.366 v1(66.586,32.436)
Net2T_D1_1: 2T_D1.1 2T_RD1.1 | length 1.9
  Top Layer w0.762: 2T_RD1.1@45.822,39.178 2T_D1.1@45.822,41.086
Net2T_D2_1: 2T_D2.1 2T_RD2.1 | length 1.9
  Top Layer w0.762: 2T_D2.1@47.892,41.086 47.904,41.073 2T_RD2.1@47.904,39.178
Net2T_D3_1: 2T_D3.1 2T_RD3.1 | length 1.9
  Top Layer w0.762: 2T_RD3.1@49.987,39.178 2T_D3.1@49.987,41.086
Net2T_D4_1: 2T_D4.1 2T_RD4.1 | length 1.9
  Top Layer w0.762: 2T_RD4.1@52.07,39.178 52.07,41.073 2T_D4.1@52.083,41.086
Net2T_D5_1: 2T_D5.1 2T_RD5.1 | length 1.9
  Top Layer w0.762: 2T_RD5.1@54.165,39.178 2T_D5.1@54.165,41.086
Net2T_D6_1: 2T_D6.1 2T_RD6.1 | length 1.9
  Top Layer w0.762: 2T_D6.1@56.248,41.086 56.248,39.191 2T_RD6.1@56.261,39.178
Net2T_D7_1: 2T_D7.1 2T_RD7.1 | length 1.9
  Top Layer w0.762: 2T_D7.1@58.344,41.086 58.344,39.191 2T_RD7.1@58.356,39.178
NetD_Back_K: D_Back.K L_Reg.2 Regulador.2 | length 69.9
  Top Layer w0.762: Regulador.2@118.917,89.559 116.394,89.559 114.77,87.935 114.77,74.108 D_Back.K@125.476,63.402 ; v1(136.665,102.362) 136.665,102.815 L_Reg.2@141.18,107.33
  Bottom Layer w0.762: v1(115.545,88.837) 115.545,92.075 119.621,96.152 131.508,96.152 136.665,101.308 v1(136.665,102.362)
NetDRadio_2: DRadio.2 Radio.21 | length 60.2
  Top Layer w0.762: DRadio.2@130.77,97.45 130.77,95.595 131.534,94.831 v1(133.109,94.831) ; v1(136.385,74.765) 135.738,74.117 135.738,46.012 137.452,44.298 Radio.21@140.241,44.298
  Bottom Layer w0.762: v1(133.109,94.831) 136.385,91.554 v1(136.385,74.765)
NetGPIO_7: GPIO.7 Val.14 | length 34.6
  Top Layer w0.762: GPIO.7@54.686,97.447 54.826,97.307 v1(54.826,93.04) ; Val.14@71.501,74.968 71.501,76.403 73.228,78.13 v1(74.054,78.13)
  Bottom Layer w0.762: v1(54.826,93.04) 67.094,80.772 71.412,80.772 v1(74.054,78.13)